# KiCad board rabbit_mask_video_edit.kicad_pcb (continued)
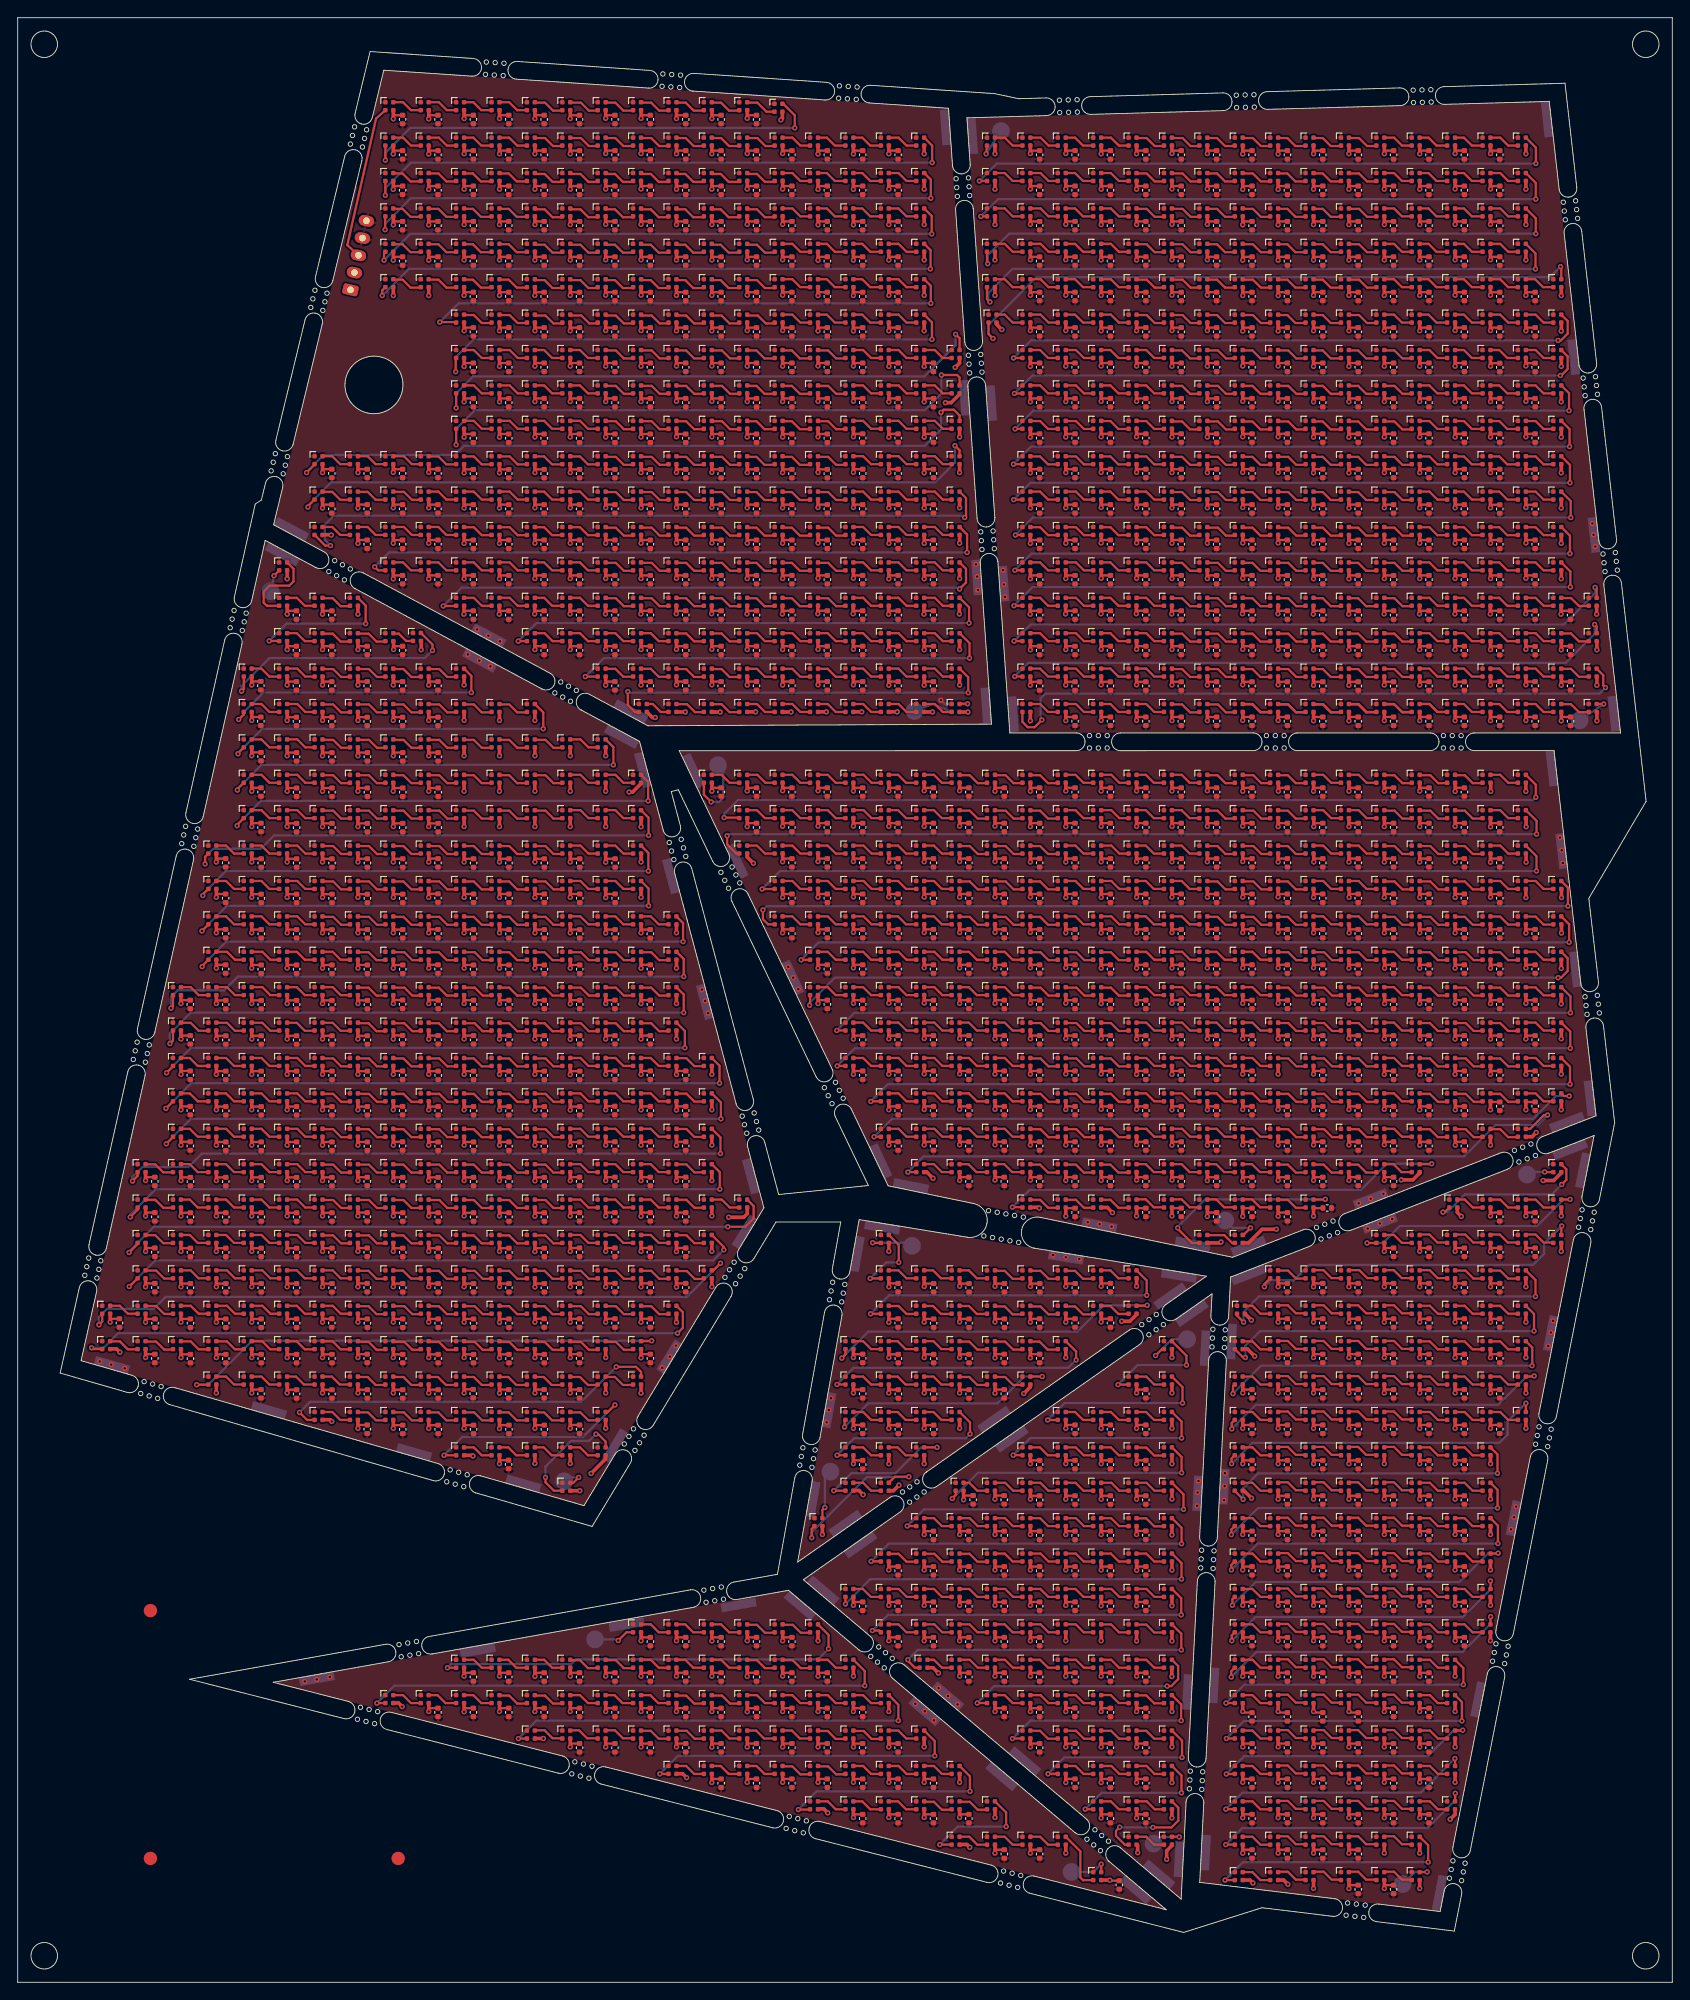
[diagram p0: board, top side]
## Placement (name value [footprint] x y rotation side) (continued)
C1485#1272  0.1uF  [C_0402_1005Metric]  107.5 118.5 270 top
C1485#1273  0.1uF  [C_0402_1005Metric]  131.5 174.5 270 top
C1485#1274  0.1uF  [C_0402_1005Metric]  75.5 210.5 270 top
C1485#1275  0.1uF  [C_0402_1005Metric]  19.52 90.48 270 top
C1485#1276  0.1uF  [C_0402_1005Metric]  91.5 146.5 270 top
C1485#1277  0.1uF  [C_0402_1005Metric]  43.52 130.48 270 top
C1485#1278  0.1uF  [C_0402_1005Metric]  123.5 110.5 270 top
C1485#1279  0.1uF  [C_0402_1005Metric]  139.5 174.5 270 top
D1  SK6812-1515  [LED_SK6812_EC15_1.5x1.5mm]  42 212 0 top
D2  SK6812-1515  [LED_SK6812_EC15_1.5x1.5mm]  46 212 0 top
D3  SK6812-1515  [LED_SK6812_EC15_1.5x1.5mm]  50 212 0 top
D4  SK6812-1515  [LED_SK6812_EC15_1.5x1.5mm]  54 212 0 top
D5  SK6812-1515  [LED_SK6812_EC15_1.5x1.5mm]  58 212 0 top
D6  SK6812-1515  [LED_SK6812_EC15_1.5x1.5mm]  62 212 0 top
D7  SK6812-1515  [LED_SK6812_EC15_1.5x1.5mm]  66 212 0 top
D8  SK6812-1515  [LED_SK6812_EC15_1.5x1.5mm]  70 212 0 top
D9  SK6812-1515  [LED_SK6812_EC15_1.5x1.5mm]  74 212 0 top
D10  SK6812-1515  [LED_SK6812_EC15_1.5x1.5mm]  78 212 0 top
D11  SK6812-1515  [LED_SK6812_EC15_1.5x1.5mm]  82 212 0 top
D12  SK6812-1515  [LED_SK6812_EC15_1.5x1.5mm]  85.97 211.82 0 top
D13  SK6812-1515  [LED_SK6812_EC15_1.5x1.5mm]  42 208 0 top
D14  SK6812-1515  [LED_SK6812_EC15_1.5x1.5mm]  46 208 0 top
D15  SK6812-1515  [LED_SK6812_EC15_1.5x1.5mm]  50 208 0 top
D16  SK6812-1515  [LED_SK6812_EC15_1.5x1.5mm]  54 208 0 top
D17  SK6812-1515  [LED_SK6812_EC15_1.5x1.5mm]  58 208 0 top
D18  SK6812-1515  [LED_SK6812_EC15_1.5x1.5mm]  62 208 0 top
D19  SK6812-1515  [LED_SK6812_EC15_1.5x1.5mm]  66 208 0 top
D20  SK6812-1515  [LED_SK6812_EC15_1.5x1.5mm]  70 208 0 top
D21  SK6812-1515  [LED_SK6812_EC15_1.5x1.5mm]  74 208 0 top
D22  SK6812-1515  [LED_SK6812_EC15_1.5x1.5mm]  78 208 0 top
D23  SK6812-1515  [LED_SK6812_EC15_1.5x1.5mm]  82 208 0 top
D24  SK6812-1515  [LED_SK6812_EC15_1.5x1.5mm]  86 208 0 top
D25  SK6812-1515  [LED_SK6812_EC15_1.5x1.5mm]  90 208 0 top
D26  SK6812-1515  [LED_SK6812_EC15_1.5x1.5mm]  94 208 0 top
D27  SK6812-1515  [LED_SK6812_EC15_1.5x1.5mm]  98 208 0 top
D28  SK6812-1515  [LED_SK6812_EC15_1.5x1.5mm]  102 208 0 top
D29  SK6812-1515  [LED_SK6812_EC15_1.5x1.5mm]  110 208 0 top
D30  SK6812-1515  [LED_SK6812_EC15_1.5x1.5mm]  114 208 0 top
D31  SK6812-1515  [LED_SK6812_EC15_1.5x1.5mm]  118 208 0 top
D32  SK6812-1515  [LED_SK6812_EC15_1.5x1.5mm]  122 208 0 top
D33  SK6812-1515  [LED_SK6812_EC15_1.5x1.5mm]  126 208 0 top
D34  SK6812-1515  [LED_SK6812_EC15_1.5x1.5mm]  130 208 0 top
D35  SK6812-1515  [LED_SK6812_EC15_1.5x1.5mm]  134 208 0 top
D36  SK6812-1515  [LED_SK6812_EC15_1.5x1.5mm]  138 208 0 top
D37  SK6812-1515  [LED_SK6812_EC15_1.5x1.5mm]  142 208 0 top
D38  SK6812-1515  [LED_SK6812_EC15_1.5x1.5mm]  146 208 0 top
D39  SK6812-1515  [LED_SK6812_EC15_1.5x1.5mm]  150 208 0 top
D40  SK6812-1515  [LED_SK6812_EC15_1.5x1.5mm]  154 208 0 top
D41  SK6812-1515  [LED_SK6812_EC15_1.5x1.5mm]  158 208 0 top
D42  SK6812-1515  [LED_SK6812_EC15_1.5x1.5mm]  162 208 0 top
D43  SK6812-1515  [LED_SK6812_EC15_1.5x1.5mm]  166 208 0 top
D44  SK6812-1515  [LED_SK6812_EC15_1.5x1.5mm]  170 208 0 top
D45  SK6812-1515  [LED_SK6812_EC15_1.5x1.5mm]  42 204 0 top
D46  SK6812-1515  [LED_SK6812_EC15_1.5x1.5mm]  46 204 0 top
D47  SK6812-1515  [LED_SK6812_EC15_1.5x1.5mm]  50 204 0 top
D48  SK6812-1515  [LED_SK6812_EC15_1.5x1.5mm]  54 204 0 top
D49  SK6812-1515  [LED_SK6812_EC15_1.5x1.5mm]  58 204 0 top
D50  SK6812-1515  [LED_SK6812_EC15_1.5x1.5mm]  62 204 0 top
D51  SK6812-1515  [LED_SK6812_EC15_1.5x1.5mm]  66 204 0 top
D52  SK6812-1515  [LED_SK6812_EC15_1.5x1.5mm]  70 204 0 top
D53  SK6812-1515  [LED_SK6812_EC15_1.5x1.5mm]  74 204 0 top
D54  SK6812-1515  [LED_SK6812_EC15_1.5x1.5mm]  78 204 0 top
D55  SK6812-1515  [LED_SK6812_EC15_1.5x1.5mm]  82 204 0 top
D56  SK6812-1515  [LED_SK6812_EC15_1.5x1.5mm]  86 204 0 top
D57  SK6812-1515  [LED_SK6812_EC15_1.5x1.5mm]  90 204 0 top
D58  SK6812-1515  [LED_SK6812_EC15_1.5x1.5mm]  94 204 0 top
D59  SK6812-1515  [LED_SK6812_EC15_1.5x1.5mm]  98 204 0 top
D60  SK6812-1515  [LED_SK6812_EC15_1.5x1.5mm]  102 204 0 top
D61  SK6812-1515  [LED_SK6812_EC15_1.5x1.5mm]  110 204 0 top
D62  SK6812-1515  [LED_SK6812_EC15_1.5x1.5mm]  114 204 0 top
D63  SK6812-1515  [LED_SK6812_EC15_1.5x1.5mm]  118 204 0 top
D64  SK6812-1515  [LED_SK6812_EC15_1.5x1.5mm]  122 204 0 top
D65  SK6812-1515  [LED_SK6812_EC15_1.5x1.5mm]  126 204 0 top
D66  SK6812-1515  [LED_SK6812_EC15_1.5x1.5mm]  130 204 0 top
D67  SK6812-1515  [LED_SK6812_EC15_1.5x1.5mm]  134 204 0 top
D68  SK6812-1515  [LED_SK6812_EC15_1.5x1.5mm]  138 204 0 top
D69  SK6812-1515  [LED_SK6812_EC15_1.5x1.5mm]  142 204 0 top
D70  SK6812-1515  [LED_SK6812_EC15_1.5x1.5mm]  146 204 0 top
D71  SK6812-1515  [LED_SK6812_EC15_1.5x1.5mm]  150 204 0 top
D72  SK6812-1515  [LED_SK6812_EC15_1.5x1.5mm]  154 204 0 top
D73  SK6812-1515  [LED_SK6812_EC15_1.5x1.5mm]  158 204 0 top
D74  SK6812-1515  [LED_SK6812_EC15_1.5x1.5mm]  162 204 0 top
D75  SK6812-1515  [LED_SK6812_EC15_1.5x1.5mm]  166 204 0 top
D76  SK6812-1515  [LED_SK6812_EC15_1.5x1.5mm]  170 204 0 top
D77  SK6812-1515  [LED_SK6812_EC15_1.5x1.5mm]  42 200 0 top
D78  SK6812-1515  [LED_SK6812_EC15_1.5x1.5mm]  46 200 0 top
D79  SK6812-1515  [LED_SK6812_EC15_1.5x1.5mm]  50 200 0 top
D80  SK6812-1515  [LED_SK6812_EC15_1.5x1.5mm]  54 200 0 top
D81  SK6812-1515  [LED_SK6812_EC15_1.5x1.5mm]  58 200 0 top
D82  SK6812-1515  [LED_SK6812_EC15_1.5x1.5mm]  62 200 0 top
D83  SK6812-1515  [LED_SK6812_EC15_1.5x1.5mm]  66 200 0 top
D84  SK6812-1515  [LED_SK6812_EC15_1.5x1.5mm]  70 200 0 top
D85  SK6812-1515  [LED_SK6812_EC15_1.5x1.5mm]  74 200 0 top
D86  SK6812-1515  [LED_SK6812_EC15_1.5x1.5mm]  78 200 0 top
D87  SK6812-1515  [LED_SK6812_EC15_1.5x1.5mm]  82 200 0 top
D88  SK6812-1515  [LED_SK6812_EC15_1.5x1.5mm]  86 200 0 top
D89  SK6812-1515  [LED_SK6812_EC15_1.5x1.5mm]  90 200 0 top
D90  SK6812-1515  [LED_SK6812_EC15_1.5x1.5mm]  94 200 0 top
D91  SK6812-1515  [LED_SK6812_EC15_1.5x1.5mm]  98 200 0 top
D92  SK6812-1515  [LED_SK6812_EC15_1.5x1.5mm]  102 200 0 top
D93  SK6812-1515  [LED_SK6812_EC15_1.5x1.5mm]  110 200 0 top
D94  SK6812-1515  [LED_SK6812_EC15_1.5x1.5mm]  114 200 0 top
D95  SK6812-1515  [LED_SK6812_EC15_1.5x1.5mm]  118 200 0 top
D96  SK6812-1515  [LED_SK6812_EC15_1.5x1.5mm]  122 200 0 top
D97  SK6812-1515  [LED_SK6812_EC15_1.5x1.5mm]  126 200 0 top
D98  SK6812-1515  [LED_SK6812_EC15_1.5x1.5mm]  130 200 0 top
D99  SK6812-1515  [LED_SK6812_EC15_1.5x1.5mm]  134 200 0 top
D100  SK6812-1515  [LED_SK6812_EC15_1.5x1.5mm]  138 200 0 top
D101  SK6812-1515  [LED_SK6812_EC15_1.5x1.5mm]  142 200 0 top
D102  SK6812-1515  [LED_SK6812_EC15_1.5x1.5mm]  146 200 0 top
D103  SK6812-1515  [LED_SK6812_EC15_1.5x1.5mm]  150 200 0 top
D104  SK6812-1515  [LED_SK6812_EC15_1.5x1.5mm]  154 200 0 top
D105  SK6812-1515  [LED_SK6812_EC15_1.5x1.5mm]  158 200 0 top
D106  SK6812-1515  [LED_SK6812_EC15_1.5x1.5mm]  162 200 0 top
D107  SK6812-1515  [LED_SK6812_EC15_1.5x1.5mm]  166 200 0 top
D108  SK6812-1515  [LED_SK6812_EC15_1.5x1.5mm]  170 200 0 top
D110  SK6812-1515  [LED_SK6812_EC15_1.5x1.5mm]  42 196 0 top
D111  SK6812-1515  [LED_SK6812_EC15_1.5x1.5mm]  46 196 0 top
D112  SK6812-1515  [LED_SK6812_EC15_1.5x1.5mm]  50 196 0 top
D113  SK6812-1515  [LED_SK6812_EC15_1.5x1.5mm]  54 196 0 top
D114  SK6812-1515  [LED_SK6812_EC15_1.5x1.5mm]  58 196 0 top
D115  SK6812-1515  [LED_SK6812_EC15_1.5x1.5mm]  62 196 0 top
D116  SK6812-1515  [LED_SK6812_EC15_1.5x1.5mm]  66 196 0 top
D117  SK6812-1515  [LED_SK6812_EC15_1.5x1.5mm]  70 196 0 top
D118  SK6812-1515  [LED_SK6812_EC15_1.5x1.5mm]  74 196 0 top
D119  SK6812-1515  [LED_SK6812_EC15_1.5x1.5mm]  78 196 0 top
D120  SK6812-1515  [LED_SK6812_EC15_1.5x1.5mm]  82 196 0 top
D121  SK6812-1515  [LED_SK6812_EC15_1.5x1.5mm]  86 196 0 top
D122  SK6812-1515  [LED_SK6812_EC15_1.5x1.5mm]  90 196 0 top
D123  SK6812-1515  [LED_SK6812_EC15_1.5x1.5mm]  94 196 0 top
D124  SK6812-1515  [LED_SK6812_EC15_1.5x1.5mm]  98 196 0 top
D125  SK6812-1515  [LED_SK6812_EC15_1.5x1.5mm]  102 196 0 top
D126  SK6812-1515  [LED_SK6812_EC15_1.5x1.5mm]  110 196 0 top
D127  SK6812-1515  [LED_SK6812_EC15_1.5x1.5mm]  114 196 0 top
D128  SK6812-1515  [LED_SK6812_EC15_1.5x1.5mm]  118 196 0 top
D129  SK6812-1515  [LED_SK6812_EC15_1.5x1.5mm]  122 196 0 top
D130  SK6812-1515  [LED_SK6812_EC15_1.5x1.5mm]  126 196 0 top
D131  SK6812-1515  [LED_SK6812_EC15_1.5x1.5mm]  130 196 0 top
D132  SK6812-1515  [LED_SK6812_EC15_1.5x1.5mm]  134 196 0 top
D133  SK6812-1515  [LED_SK6812_EC15_1.5x1.5mm]  138 196 0 top
D134  SK6812-1515  [LED_SK6812_EC15_1.5x1.5mm]  142 196 0 top
D135  SK6812-1515  [LED_SK6812_EC15_1.5x1.5mm]  146 196 0 top
D136  SK6812-1515  [LED_SK6812_EC15_1.5x1.5mm]  150 196 0 top
D137  SK6812-1515  [LED_SK6812_EC15_1.5x1.5mm]  154 196 0 top
D138  SK6812-1515  [LED_SK6812_EC15_1.5x1.5mm]  158 196 0 top
D139  SK6812-1515  [LED_SK6812_EC15_1.5x1.5mm]  162 196 0 top
D140  SK6812-1515  [LED_SK6812_EC15_1.5x1.5mm]  166 196 0 top
D141  SK6812-1515  [LED_SK6812_EC15_1.5x1.5mm]  170 196 0 top
D143  SK6812-1515  [LED_SK6812_EC15_1.5x1.5mm]  42 192 0 top
D144  SK6812-1515  [LED_SK6812_EC15_1.5x1.5mm]  46 192 0 top
D145  SK6812-1515  [LED_SK6812_EC15_1.5x1.5mm]  50 192 0 top
D146  SK6812-1515  [LED_SK6812_EC15_1.5x1.5mm]  54 192 0 top
D147  SK6812-1515  [LED_SK6812_EC15_1.5x1.5mm]  58 192 0 top
D148  SK6812-1515  [LED_SK6812_EC15_1.5x1.5mm]  62 192 0 top
D149  SK6812-1515  [LED_SK6812_EC15_1.5x1.5mm]  66 192 0 top
D150  SK6812-1515  [LED_SK6812_EC15_1.5x1.5mm]  70 192 0 top
D151  SK6812-1515  [LED_SK6812_EC15_1.5x1.5mm]  74 192 0 top
D152  SK6812-1515  [LED_SK6812_EC15_1.5x1.5mm]  78 192 0 top
D153  SK6812-1515  [LED_SK6812_EC15_1.5x1.5mm]  82 192 0 top
D154  SK6812-1515  [LED_SK6812_EC15_1.5x1.5mm]  86 192 0 top
D155  SK6812-1515  [LED_SK6812_EC15_1.5x1.5mm]  90 192 0 top
D156  SK6812-1515  [LED_SK6812_EC15_1.5x1.5mm]  94 192 0 top
D157  SK6812-1515  [LED_SK6812_EC15_1.5x1.5mm]  98 192 0 top
D158  SK6812-1515  [LED_SK6812_EC15_1.5x1.5mm]  102 192 0 top
D159  SK6812-1515  [LED_SK6812_EC15_1.5x1.5mm]  110 192 0 top
D160  SK6812-1515  [LED_SK6812_EC15_1.5x1.5mm]  114 192 0 top
D161  SK6812-1515  [LED_SK6812_EC15_1.5x1.5mm]  118 192 0 top
D162  SK6812-1515  [LED_SK6812_EC15_1.5x1.5mm]  122 192 0 top
D163  SK6812-1515  [LED_SK6812_EC15_1.5x1.5mm]  126 192 0 top
D164  SK6812-1515  [LED_SK6812_EC15_1.5x1.5mm]  130 192 0 top
D165  SK6812-1515  [LED_SK6812_EC15_1.5x1.5mm]  134 192 0 top
D166  SK6812-1515  [LED_SK6812_EC15_1.5x1.5mm]  138 192 0 top
D167  SK6812-1515  [LED_SK6812_EC15_1.5x1.5mm]  142 192 0 top
D168  SK6812-1515  [LED_SK6812_EC15_1.5x1.5mm]  146 192 0 top
D169  SK6812-1515  [LED_SK6812_EC15_1.5x1.5mm]  150 192 0 top
D170  SK6812-1515  [LED_SK6812_EC15_1.5x1.5mm]  154 192 0 top
D171  SK6812-1515  [LED_SK6812_EC15_1.5x1.5mm]  158 192 0 top
D172  SK6812-1515  [LED_SK6812_EC15_1.5x1.5mm]  162 192 0 top
D173  SK6812-1515  [LED_SK6812_EC15_1.5x1.5mm]  166 192 0 top
D174  SK6812-1515  [LED_SK6812_EC15_1.5x1.5mm]  170 192 0 top
D175  SK6812-1515  [LED_SK6812_EC15_1.5x1.5mm]  174 192 0 top
D179  SK6812-1515  [LED_SK6812_EC15_1.5x1.5mm]  50 188 0 top
D180  SK6812-1515  [LED_SK6812_EC15_1.5x1.5mm]  54 188 0 top
D181  SK6812-1515  [LED_SK6812_EC15_1.5x1.5mm]  58 188 0 top
D182  SK6812-1515  [LED_SK6812_EC15_1.5x1.5mm]  62 188 0 top
D183  SK6812-1515  [LED_SK6812_EC15_1.5x1.5mm]  66 188 0 top
D184  SK6812-1515  [LED_SK6812_EC15_1.5x1.5mm]  70 188 0 top
D185  SK6812-1515  [LED_SK6812_EC15_1.5x1.5mm]  74 188 0 top
D186  SK6812-1515  [LED_SK6812_EC15_1.5x1.5mm]  78 188 0 top
D187  SK6812-1515  [LED_SK6812_EC15_1.5x1.5mm]  82 188 0 top
D188  SK6812-1515  [LED_SK6812_EC15_1.5x1.5mm]  86 188 0 top
D189  SK6812-1515  [LED_SK6812_EC15_1.5x1.5mm]  90 188 0 top
D190  SK6812-1515  [LED_SK6812_EC15_1.5x1.5mm]  94 188 0 top
D191  SK6812-1515  [LED_SK6812_EC15_1.5x1.5mm]  98 188 0 top
D192  SK6812-1515  [LED_SK6812_EC15_1.5x1.5mm]  102 188 0 top
D193  SK6812-1515  [LED_SK6812_EC15_1.5x1.5mm]  110.18 188 0 top
D194  SK6812-1515  [LED_SK6812_EC15_1.5x1.5mm]  114 188 0 top
D195  SK6812-1515  [LED_SK6812_EC15_1.5x1.5mm]  118 188 0 top
D196  SK6812-1515  [LED_SK6812_EC15_1.5x1.5mm]  122 188 0 top
D197  SK6812-1515  [LED_SK6812_EC15_1.5x1.5mm]  126 188 0 top
D198  SK6812-1515  [LED_SK6812_EC15_1.5x1.5mm]  130 188 0 top
D199  SK6812-1515  [LED_SK6812_EC15_1.5x1.5mm]  134 188 0 top
D200  SK6812-1515  [LED_SK6812_EC15_1.5x1.5mm]  138 188 0 top
D201  SK6812-1515  [LED_SK6812_EC15_1.5x1.5mm]  142 188 0 top
D202  SK6812-1515  [LED_SK6812_EC15_1.5x1.5mm]  146 188 0 top
D203  SK6812-1515  [LED_SK6812_EC15_1.5x1.5mm]  150 188 0 top
D204  SK6812-1515  [LED_SK6812_EC15_1.5x1.5mm]  154 188 0 top
D205  SK6812-1515  [LED_SK6812_EC15_1.5x1.5mm]  158 188 0 top
D206  SK6812-1515  [LED_SK6812_EC15_1.5x1.5mm]  162 188 0 top
D207  SK6812-1515  [LED_SK6812_EC15_1.5x1.5mm]  166 188 0 top
D208  SK6812-1515  [LED_SK6812_EC15_1.5x1.5mm]  170 188 0 top
D209  SK6812-1515  [LED_SK6812_EC15_1.5x1.5mm]  174 188 0 top
D210  SK6812-1515  [LED_SK6812_EC15_1.5x1.5mm]  50 184 0 top
D211  SK6812-1515  [LED_SK6812_EC15_1.5x1.5mm]  54 184 0 top
D212  SK6812-1515  [LED_SK6812_EC15_1.5x1.5mm]  58 184 0 top
D213  SK6812-1515  [LED_SK6812_EC15_1.5x1.5mm]  62 184 0 top
D214  SK6812-1515  [LED_SK6812_EC15_1.5x1.5mm]  66 184 0 top
D215  SK6812-1515  [LED_SK6812_EC15_1.5x1.5mm]  70 184 0 top
D216  SK6812-1515  [LED_SK6812_EC15_1.5x1.5mm]  74 184 0 top
D217  SK6812-1515  [LED_SK6812_EC15_1.5x1.5mm]  78 184 0 top
D218  SK6812-1515  [LED_SK6812_EC15_1.5x1.5mm]  82 184 0 top
D219  SK6812-1515  [LED_SK6812_EC15_1.5x1.5mm]  86 184 0 top
D220  SK6812-1515  [LED_SK6812_EC15_1.5x1.5mm]  90 184 0 top
D221  SK6812-1515  [LED_SK6812_EC15_1.5x1.5mm]  94 184 0 top
D222  SK6812-1515  [LED_SK6812_EC15_1.5x1.5mm]  98 184 0 top
D223  SK6812-1515  [LED_SK6812_EC15_1.5x1.5mm]  102 184 0 top
D224  SK6812-1515  [LED_SK6812_EC15_1.5x1.5mm]  106 184 0 top
D225  SK6812-1515  [LED_SK6812_EC15_1.5x1.5mm]  114 184 0 top
D226  SK6812-1515  [LED_SK6812_EC15_1.5x1.5mm]  118 184 0 top
D227  SK6812-1515  [LED_SK6812_EC15_1.5x1.5mm]  122 184 0 top
D228  SK6812-1515  [LED_SK6812_EC15_1.5x1.5mm]  126 184 0 top
D229  SK6812-1515  [LED_SK6812_EC15_1.5x1.5mm]  130 184 0 top
D230  SK6812-1515  [LED_SK6812_EC15_1.5x1.5mm]  134 184 0 top
D231  SK6812-1515  [LED_SK6812_EC15_1.5x1.5mm]  138 184 0 top
D232  SK6812-1515  [LED_SK6812_EC15_1.5x1.5mm]  142 184 0 top
D233  SK6812-1515  [LED_SK6812_EC15_1.5x1.5mm]  146 184 0 top
D234  SK6812-1515  [LED_SK6812_EC15_1.5x1.5mm]  150 184 0 top
D235  SK6812-1515  [LED_SK6812_EC15_1.5x1.5mm]  154 184 0 top
D236  SK6812-1515  [LED_SK6812_EC15_1.5x1.5mm]  158 184 0 top
D237  SK6812-1515  [LED_SK6812_EC15_1.5x1.5mm]  162 184 0 top
D238  SK6812-1515  [LED_SK6812_EC15_1.5x1.5mm]  166 184 0 top
D239  SK6812-1515  [LED_SK6812_EC15_1.5x1.5mm]  170 184 0 top
D240  SK6812-1515  [LED_SK6812_EC15_1.5x1.5mm]  174 184 0 top
D241  SK6812-1515  [LED_SK6812_EC15_1.5x1.5mm]  50 180 0 top
D242  SK6812-1515  [LED_SK6812_EC15_1.5x1.5mm]  54 180 0 top
D243  SK6812-1515  [LED_SK6812_EC15_1.5x1.5mm]  58 180 0 top
D244  SK6812-1515  [LED_SK6812_EC15_1.5x1.5mm]  62 180 0 top
D245  SK6812-1515  [LED_SK6812_EC15_1.5x1.5mm]  66 180 0 top
D246  SK6812-1515  [LED_SK6812_EC15_1.5x1.5mm]  70 180 0 top
D247  SK6812-1515  [LED_SK6812_EC15_1.5x1.5mm]  74 180 0 top
D248  SK6812-1515  [LED_SK6812_EC15_1.5x1.5mm]  78 180 0 top
D249  SK6812-1515  [LED_SK6812_EC15_1.5x1.5mm]  82 180 0 top
D250  SK6812-1515  [LED_SK6812_EC15_1.5x1.5mm]  86 180 0 top
D251  SK6812-1515  [LED_SK6812_EC15_1.5x1.5mm]  90 180 0 top
D252  SK6812-1515  [LED_SK6812_EC15_1.5x1.5mm]  94 180 0 top
D253  SK6812-1515  [LED_SK6812_EC15_1.5x1.5mm]  98 180 0 top
D254  SK6812-1515  [LED_SK6812_EC15_1.5x1.5mm]  102 180 0 top
D255  SK6812-1515  [LED_SK6812_EC15_1.5x1.5mm]  106 180 0 top
D256  SK6812-1515  [LED_SK6812_EC15_1.5x1.5mm]  114 180 0 top
D257  SK6812-1515  [LED_SK6812_EC15_1.5x1.5mm]  118 180 0 top
D258  SK6812-1515  [LED_SK6812_EC15_1.5x1.5mm]  122 180 0 top
D259  SK6812-1515  [LED_SK6812_EC15_1.5x1.5mm]  126 180 0 top
D260  SK6812-1515  [LED_SK6812_EC15_1.5x1.5mm]  130 180 0 top
D261  SK6812-1515  [LED_SK6812_EC15_1.5x1.5mm]  134 180 0 top
D262  SK6812-1515  [LED_SK6812_EC15_1.5x1.5mm]  138 180 0 top
D263  SK6812-1515  [LED_SK6812_EC15_1.5x1.5mm]  142 180 0 top
D264  SK6812-1515  [LED_SK6812_EC15_1.5x1.5mm]  146 180 0 top
D265  SK6812-1515  [LED_SK6812_EC15_1.5x1.5mm]  150 180 0 top
D266  SK6812-1515  [LED_SK6812_EC15_1.5x1.5mm]  154 180 0 top
D267  SK6812-1515  [LED_SK6812_EC15_1.5x1.5mm]  158 180 0 top
D268  SK6812-1515  [LED_SK6812_EC15_1.5x1.5mm]  162 180 0 top
D269  SK6812-1515  [LED_SK6812_EC15_1.5x1.5mm]  166 180 0 top
D270  SK6812-1515  [LED_SK6812_EC15_1.5x1.5mm]  170 180 0 top
D271  SK6812-1515  [LED_SK6812_EC15_1.5x1.5mm]  174 180 0 top
D272  SK6812-1515  [LED_SK6812_EC15_1.5x1.5mm]  50 176 0 top
D273  SK6812-1515  [LED_SK6812_EC15_1.5x1.5mm]  54 176 0 top
D274  SK6812-1515  [LED_SK6812_EC15_1.5x1.5mm]  58 176 0 top
D275  SK6812-1515  [LED_SK6812_EC15_1.5x1.5mm]  62 176 0 top
D276  SK6812-1515  [LED_SK6812_EC15_1.5x1.5mm]  66 176 0 top
D277  SK6812-1515  [LED_SK6812_EC15_1.5x1.5mm]  70 176 0 top
D278  SK6812-1515  [LED_SK6812_EC15_1.5x1.5mm]  74 176 0 top
D279  SK6812-1515  [LED_SK6812_EC15_1.5x1.5mm]  78 176 0 top
D280  SK6812-1515  [LED_SK6812_EC15_1.5x1.5mm]  82 176 0 top
D281  SK6812-1515  [LED_SK6812_EC15_1.5x1.5mm]  86 176 0 top
D282  SK6812-1515  [LED_SK6812_EC15_1.5x1.5mm]  90 176 0 top
D283  SK6812-1515  [LED_SK6812_EC15_1.5x1.5mm]  94 176 0 top
D284  SK6812-1515  [LED_SK6812_EC15_1.5x1.5mm]  98 176 0 top
D285  SK6812-1515  [LED_SK6812_EC15_1.5x1.5mm]  102 176 0 top
D286  SK6812-1515  [LED_SK6812_EC15_1.5x1.5mm]  106 176 0 top
D287  SK6812-1515  [LED_SK6812_EC15_1.5x1.5mm]  114 176 0 top
D288  SK6812-1515  [LED_SK6812_EC15_1.5x1.5mm]  118 176 0 top
D289  SK6812-1515  [LED_SK6812_EC15_1.5x1.5mm]  122 176 0 top
D290  SK6812-1515  [LED_SK6812_EC15_1.5x1.5mm]  126 176 0 top
D291  SK6812-1515  [LED_SK6812_EC15_1.5x1.5mm]  130 176 0 top
D292  SK6812-1515  [LED_SK6812_EC15_1.5x1.5mm]  134 176 0 top
D293  SK6812-1515  [LED_SK6812_EC15_1.5x1.5mm]  138 176 0 top
D294  SK6812-1515  [LED_SK6812_EC15_1.5x1.5mm]  142 176 0 top
D295  SK6812-1515  [LED_SK6812_EC15_1.5x1.5mm]  146 176 0 top
D296  SK6812-1515  [LED_SK6812_EC15_1.5x1.5mm]  150 176 0 top
D297  SK6812-1515  [LED_SK6812_EC15_1.5x1.5mm]  154 176 0 top
D298  SK6812-1515  [LED_SK6812_EC15_1.5x1.5mm]  158 176 0 top
D299  SK6812-1515  [LED_SK6812_EC15_1.5x1.5mm]  162 176 0 top
D300  SK6812-1515  [LED_SK6812_EC15_1.5x1.5mm]  166 176 0 top
D301  SK6812-1515  [LED_SK6812_EC15_1.5x1.5mm]  170 176 0 top
D302  SK6812-1515  [LED_SK6812_EC15_1.5x1.5mm]  174 176 0 top
D303  SK6812-1515  [LED_SK6812_EC15_1.5x1.5mm]  34 172 0 top
D304  SK6812-1515  [LED_SK6812_EC15_1.5x1.5mm]  38 172 0 top
D305  SK6812-1515  [LED_SK6812_EC15_1.5x1.5mm]  42 172 0 top
D306  SK6812-1515  [LED_SK6812_EC15_1.5x1.5mm]  46 172 0 top
D307  SK6812-1515  [LED_SK6812_EC15_1.5x1.5mm]  50 172 0 top
D308  SK6812-1515  [LED_SK6812_EC15_1.5x1.5mm]  54 172 0 top
D309  SK6812-1515  [LED_SK6812_EC15_1.5x1.5mm]  58 172 0 top
D310  SK6812-1515  [LED_SK6812_EC15_1.5x1.5mm]  62 172 0 top
D311  SK6812-1515  [LED_SK6812_EC15_1.5x1.5mm]  66 172 0 top
D312  SK6812-1515  [LED_SK6812_EC15_1.5x1.5mm]  70 172 0 top
D313  SK6812-1515  [LED_SK6812_EC15_1.5x1.5mm]  74 172 0 top
D314  SK6812-1515  [LED_SK6812_EC15_1.5x1.5mm]  78 172 0 top
D315  SK6812-1515  [LED_SK6812_EC15_1.5x1.5mm]  82 172 0 top
D316  SK6812-1515  [LED_SK6812_EC15_1.5x1.5mm]  86 172 0 top
D317  SK6812-1515  [LED_SK6812_EC15_1.5x1.5mm]  90 172 0 top
D318  SK6812-1515  [LED_SK6812_EC15_1.5x1.5mm]  94 172 0 top
D319  SK6812-1515  [LED_SK6812_EC15_1.5x1.5mm]  98 172 0 top
D320  SK6812-1515  [LED_SK6812_EC15_1.5x1.5mm]  102 172 0 top
D321  SK6812-1515  [LED_SK6812_EC15_1.5x1.5mm]  106 172 0 top
D322  SK6812-1515  [LED_SK6812_EC15_1.5x1.5mm]  114 172 0 top
D323  SK6812-1515  [LED_SK6812_EC15_1.5x1.5mm]  118 172 0 top
D324  SK6812-1515  [LED_SK6812_EC15_1.5x1.5mm]  122 172 0 top
D325  SK6812-1515  [LED_SK6812_EC15_1.5x1.5mm]  126 172 0 top
D326  SK6812-1515  [LED_SK6812_EC15_1.5x1.5mm]  130 172 0 top
D327  SK6812-1515  [LED_SK6812_EC15_1.5x1.5mm]  134 172 0 top
D328  SK6812-1515  [LED_SK6812_EC15_1.5x1.5mm]  138 172 0 top
D329  SK6812-1515  [LED_SK6812_EC15_1.5x1.5mm]  142 172 0 top
D330  SK6812-1515  [LED_SK6812_EC15_1.5x1.5mm]  146 172 0 top
D331  SK6812-1515  [LED_SK6812_EC15_1.5x1.5mm]  150 172 0 top
D332  SK6812-1515  [LED_SK6812_EC15_1.5x1.5mm]  154 172 0 top
D333  SK6812-1515  [LED_SK6812_EC15_1.5x1.5mm]  158 172 0 top
D334  SK6812-1515  [LED_SK6812_EC15_1.5x1.5mm]  162 172 0 top
D335  SK6812-1515  [LED_SK6812_EC15_1.5x1.5mm]  166 172 0 top
D336  SK6812-1515  [LED_SK6812_EC15_1.5x1.5mm]  170 172 0 top
D337  SK6812-1515  [LED_SK6812_EC15_1.5x1.5mm]  174 172 0 top
D338  SK6812-1515  [LED_SK6812_EC15_1.5x1.5mm]  34 168 0 top
D339  SK6812-1515  [LED_SK6812_EC15_1.5x1.5mm]  38 168 0 top
D340  SK6812-1515  [LED_SK6812_EC15_1.5x1.5mm]  42 168 0 top
D341  SK6812-1515  [LED_SK6812_EC15_1.5x1.5mm]  46 168 0 top
D342  SK6812-1515  [LED_SK6812_EC15_1.5x1.5mm]  50 168 0 top
D343  SK6812-1515  [LED_SK6812_EC15_1.5x1.5mm]  54 168 0 top
D344  SK6812-1515  [LED_SK6812_EC15_1.5x1.5mm]  58 168 0 top
D345  SK6812-1515  [LED_SK6812_EC15_1.5x1.5mm]  62 168 0 top
D346  SK6812-1515  [LED_SK6812_EC15_1.5x1.5mm]  66 168 0 top
D347  SK6812-1515  [LED_SK6812_EC15_1.5x1.5mm]  70 168 0 top
D348  SK6812-1515  [LED_SK6812_EC15_1.5x1.5mm]  74 168 0 top
D349  SK6812-1515  [LED_SK6812_EC15_1.5x1.5mm]  78 168 0 top
D350  SK6812-1515  [LED_SK6812_EC15_1.5x1.5mm]  82 168 0 top
D351  SK6812-1515  [LED_SK6812_EC15_1.5x1.5mm]  86 168 0 top
D352  SK6812-1515  [LED_SK6812_EC15_1.5x1.5mm]  90 168 0 top
D353  SK6812-1515  [LED_SK6812_EC15_1.5x1.5mm]  94 168 0 top
D354  SK6812-1515  [LED_SK6812_EC15_1.5x1.5mm]  98 168 0 top
D355  SK6812-1515  [LED_SK6812_EC15_1.5x1.5mm]  102 168 0 top
D356  SK6812-1515  [LED_SK6812_EC15_1.5x1.5mm]  106 168 0 top
D357  SK6812-1515  [LED_SK6812_EC15_1.5x1.5mm]  114 168 0 top
D358  SK6812-1515  [LED_SK6812_EC15_1.5x1.5mm]  118 168 0 top
D359  SK6812-1515  [LED_SK6812_EC15_1.5x1.5mm]  122 168 0 top
D360  SK6812-1515  [LED_SK6812_EC15_1.5x1.5mm]  126 168 0 top
D361  SK6812-1515  [LED_SK6812_EC15_1.5x1.5mm]  130 168 0 top
D362  SK6812-1515  [LED_SK6812_EC15_1.5x1.5mm]  134 168 0 top
D363  SK6812-1515  [LED_SK6812_EC15_1.5x1.5mm]  138 168 0 top
D364  SK6812-1515  [LED_SK6812_EC15_1.5x1.5mm]  142 168 0 top
D365  SK6812-1515  [LED_SK6812_EC15_1.5x1.5mm]  146 168 0 top
D366  SK6812-1515  [LED_SK6812_EC15_1.5x1.5mm]  150 168 0 top
D367  SK6812-1515  [LED_SK6812_EC15_1.5x1.5mm]  154 168 0 top
D368  SK6812-1515  [LED_SK6812_EC15_1.5x1.5mm]  158 168 0 top
D369  SK6812-1515  [LED_SK6812_EC15_1.5x1.5mm]  162 168 0 top
D370  SK6812-1515  [LED_SK6812_EC15_1.5x1.5mm]  166 168 0 top
D371  SK6812-1515  [LED_SK6812_EC15_1.5x1.5mm]  170 168 0 top
D372  SK6812-1515  [LED_SK6812_EC15_1.5x1.5mm]  174 168 0 top
D373  SK6812-1515  [LED_SK6812_EC15_1.5x1.5mm]  34 164 0 top
D374  SK6812-1515  [LED_SK6812_EC15_1.5x1.5mm]  38 164 0 top
D375  SK6812-1515  [LED_SK6812_EC15_1.5x1.5mm]  42 164 0 top
D376  SK6812-1515  [LED_SK6812_EC15_1.5x1.5mm]  46 164 0 top
D377  SK6812-1515  [LED_SK6812_EC15_1.5x1.5mm]  50 164 0 top
D378  SK6812-1515  [LED_SK6812_EC15_1.5x1.5mm]  54 164 0 top
D379  SK6812-1515  [LED_SK6812_EC15_1.5x1.5mm]  58 164 0 top
D380  SK6812-1515  [LED_SK6812_EC15_1.5x1.5mm]  62 164 0 top
D381  SK6812-1515  [LED_SK6812_EC15_1.5x1.5mm]  66 164 0 top
D382  SK6812-1515  [LED_SK6812_EC15_1.5x1.5mm]  70 164 0 top
D383  SK6812-1515  [LED_SK6812_EC15_1.5x1.5mm]  74 164 0 top
D384  SK6812-1515  [LED_SK6812_EC15_1.5x1.5mm]  78 164 0 top
D385  SK6812-1515  [LED_SK6812_EC15_1.5x1.5mm]  82 164 0 top
D386  SK6812-1515  [LED_SK6812_EC15_1.5x1.5mm]  86 164 0 top
D387  SK6812-1515  [LED_SK6812_EC15_1.5x1.5mm]  90 164 0 top
D388  SK6812-1515  [LED_SK6812_EC15_1.5x1.5mm]  94 164 0 top
D389  SK6812-1515  [LED_SK6812_EC15_1.5x1.5mm]  98 164 0 top
D390  SK6812-1515  [LED_SK6812_EC15_1.5x1.5mm]  102 164 0 top
D391  SK6812-1515  [LED_SK6812_EC15_1.5x1.5mm]  106 164 0 top
D392  SK6812-1515  [LED_SK6812_EC15_1.5x1.5mm]  114 164 0 top
D393  SK6812-1515  [LED_SK6812_EC15_1.5x1.5mm]  118 164 0 top
D394  SK6812-1515  [LED_SK6812_EC15_1.5x1.5mm]  122 164 0 top
D395  SK6812-1515  [LED_SK6812_EC15_1.5x1.5mm]  126 164 0 top
D396  SK6812-1515  [LED_SK6812_EC15_1.5x1.5mm]  130 164 0 top
D397  SK6812-1515  [LED_SK6812_EC15_1.5x1.5mm]  134 164 0 top
D398  SK6812-1515  [LED_SK6812_EC15_1.5x1.5mm]  138 164 0 top
D399  SK6812-1515  [LED_SK6812_EC15_1.5x1.5mm]  142 164 0 top
D400  SK6812-1515  [LED_SK6812_EC15_1.5x1.5mm]  146 164 0 top
D401  SK6812-1515  [LED_SK6812_EC15_1.5x1.5mm]  150 164 0 top
D402  SK6812-1515  [LED_SK6812_EC15_1.5x1.5mm]  154 164 0 top
D403  SK6812-1515  [LED_SK6812_EC15_1.5x1.5mm]  158 164 0 top
D404  SK6812-1515  [LED_SK6812_EC15_1.5x1.5mm]  162 164 0 top
D405  SK6812-1515  [LED_SK6812_EC15_1.5x1.5mm]  166 164 0 top
